# Altium PCB 22280A_AlarmeFenetre_Emetteur.PcbDoc
Units mil, origin at the board's own origin, x right, y up, seen from the top; angles counter-clockwise.
Board outline 2362.2 x 2362.2 mil, 2 copper layers (Top Layer, Bottom Layer), stack 62.441 mil thick; 39 components, 27 nets, 139 pads, 47 vias.
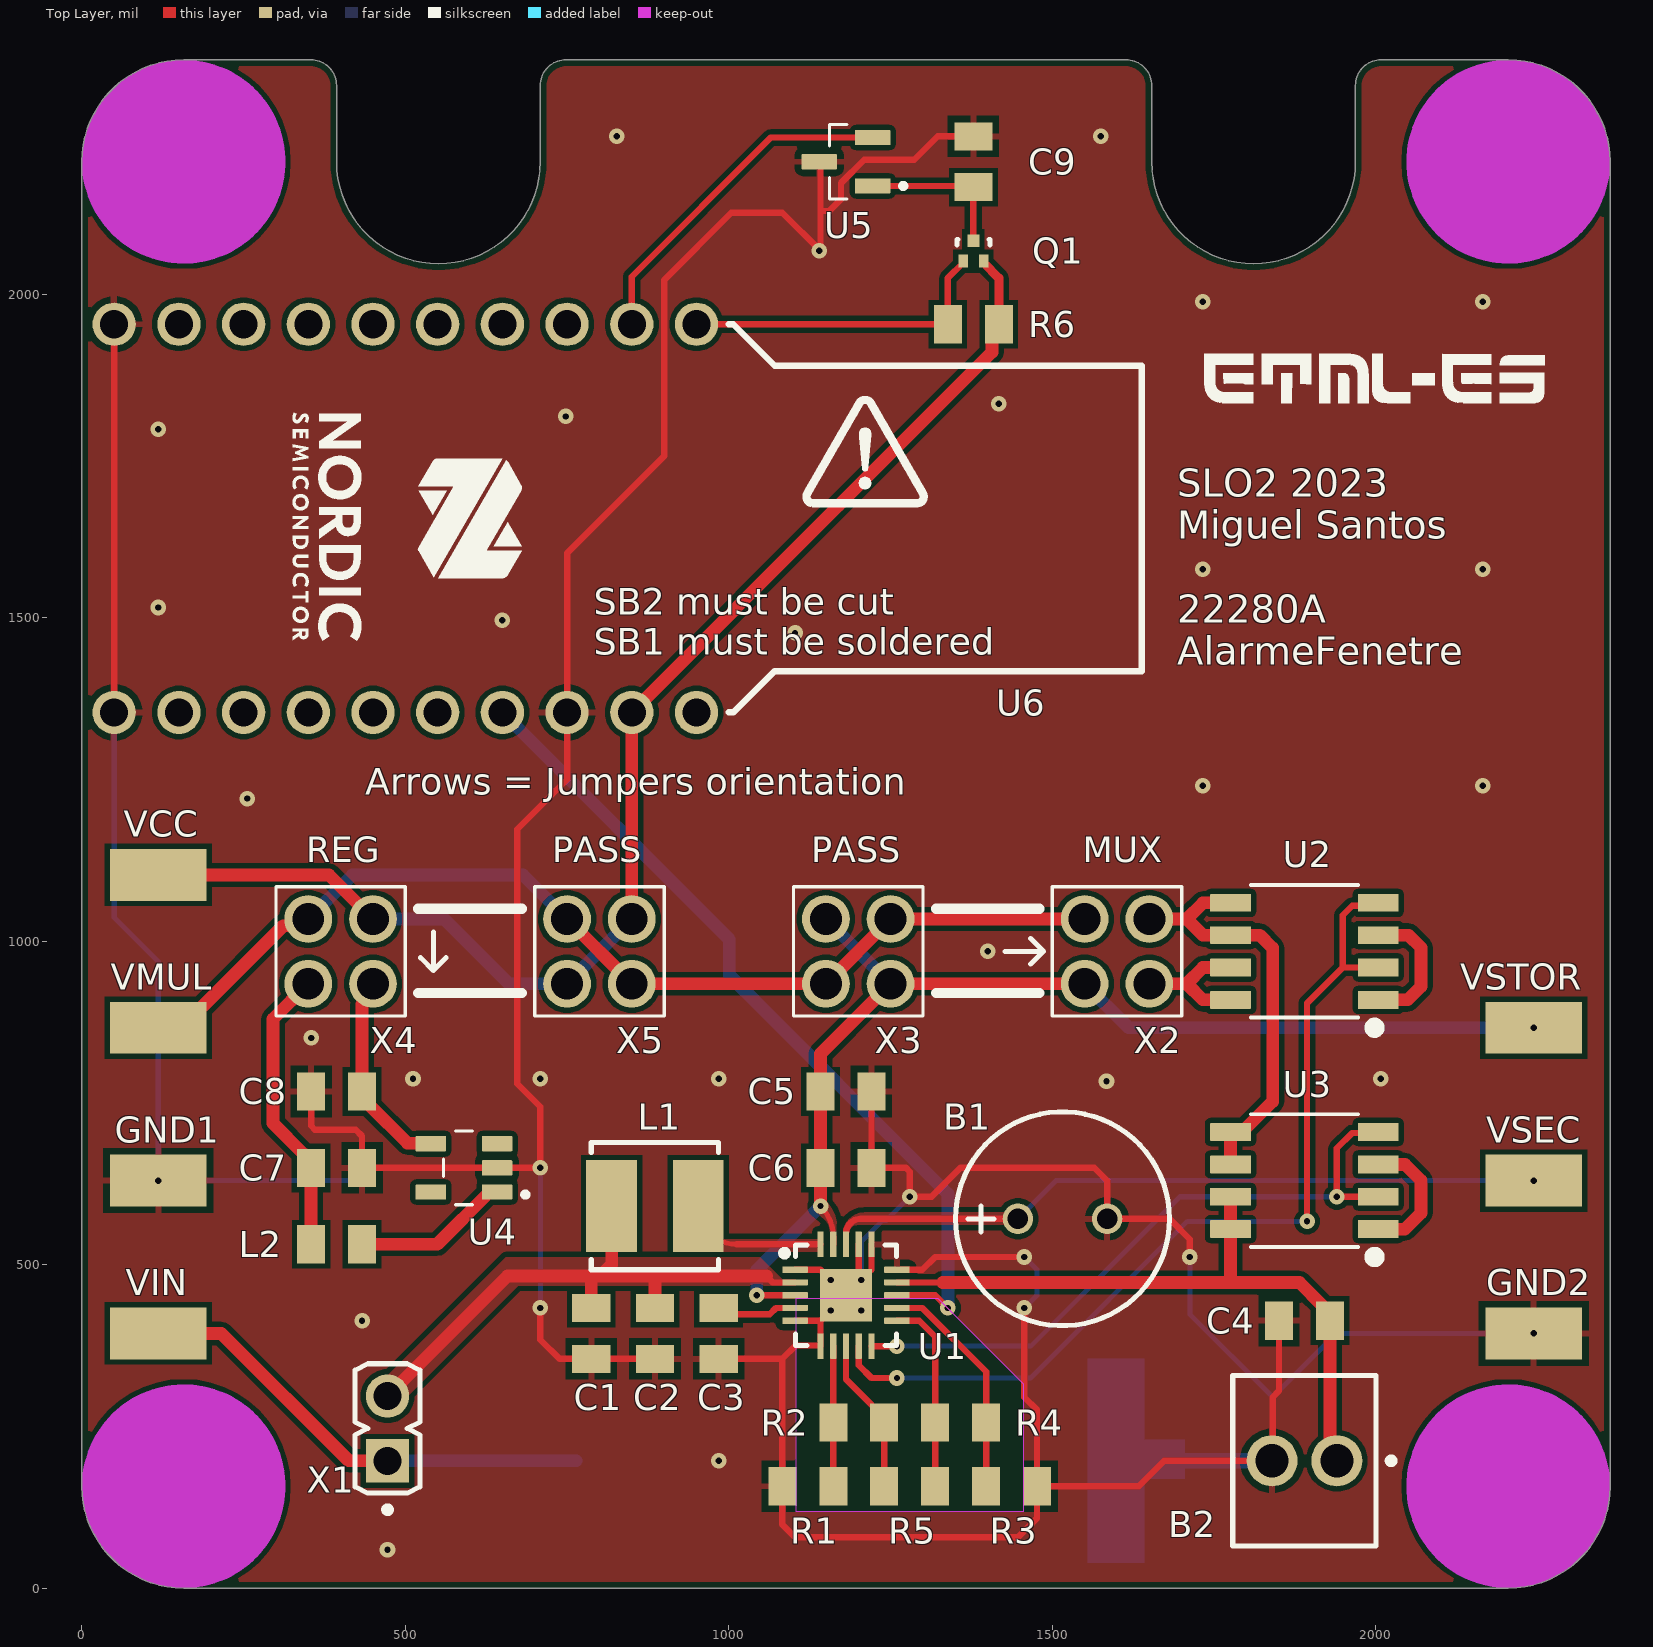
[diagram p0: Top Layer view]
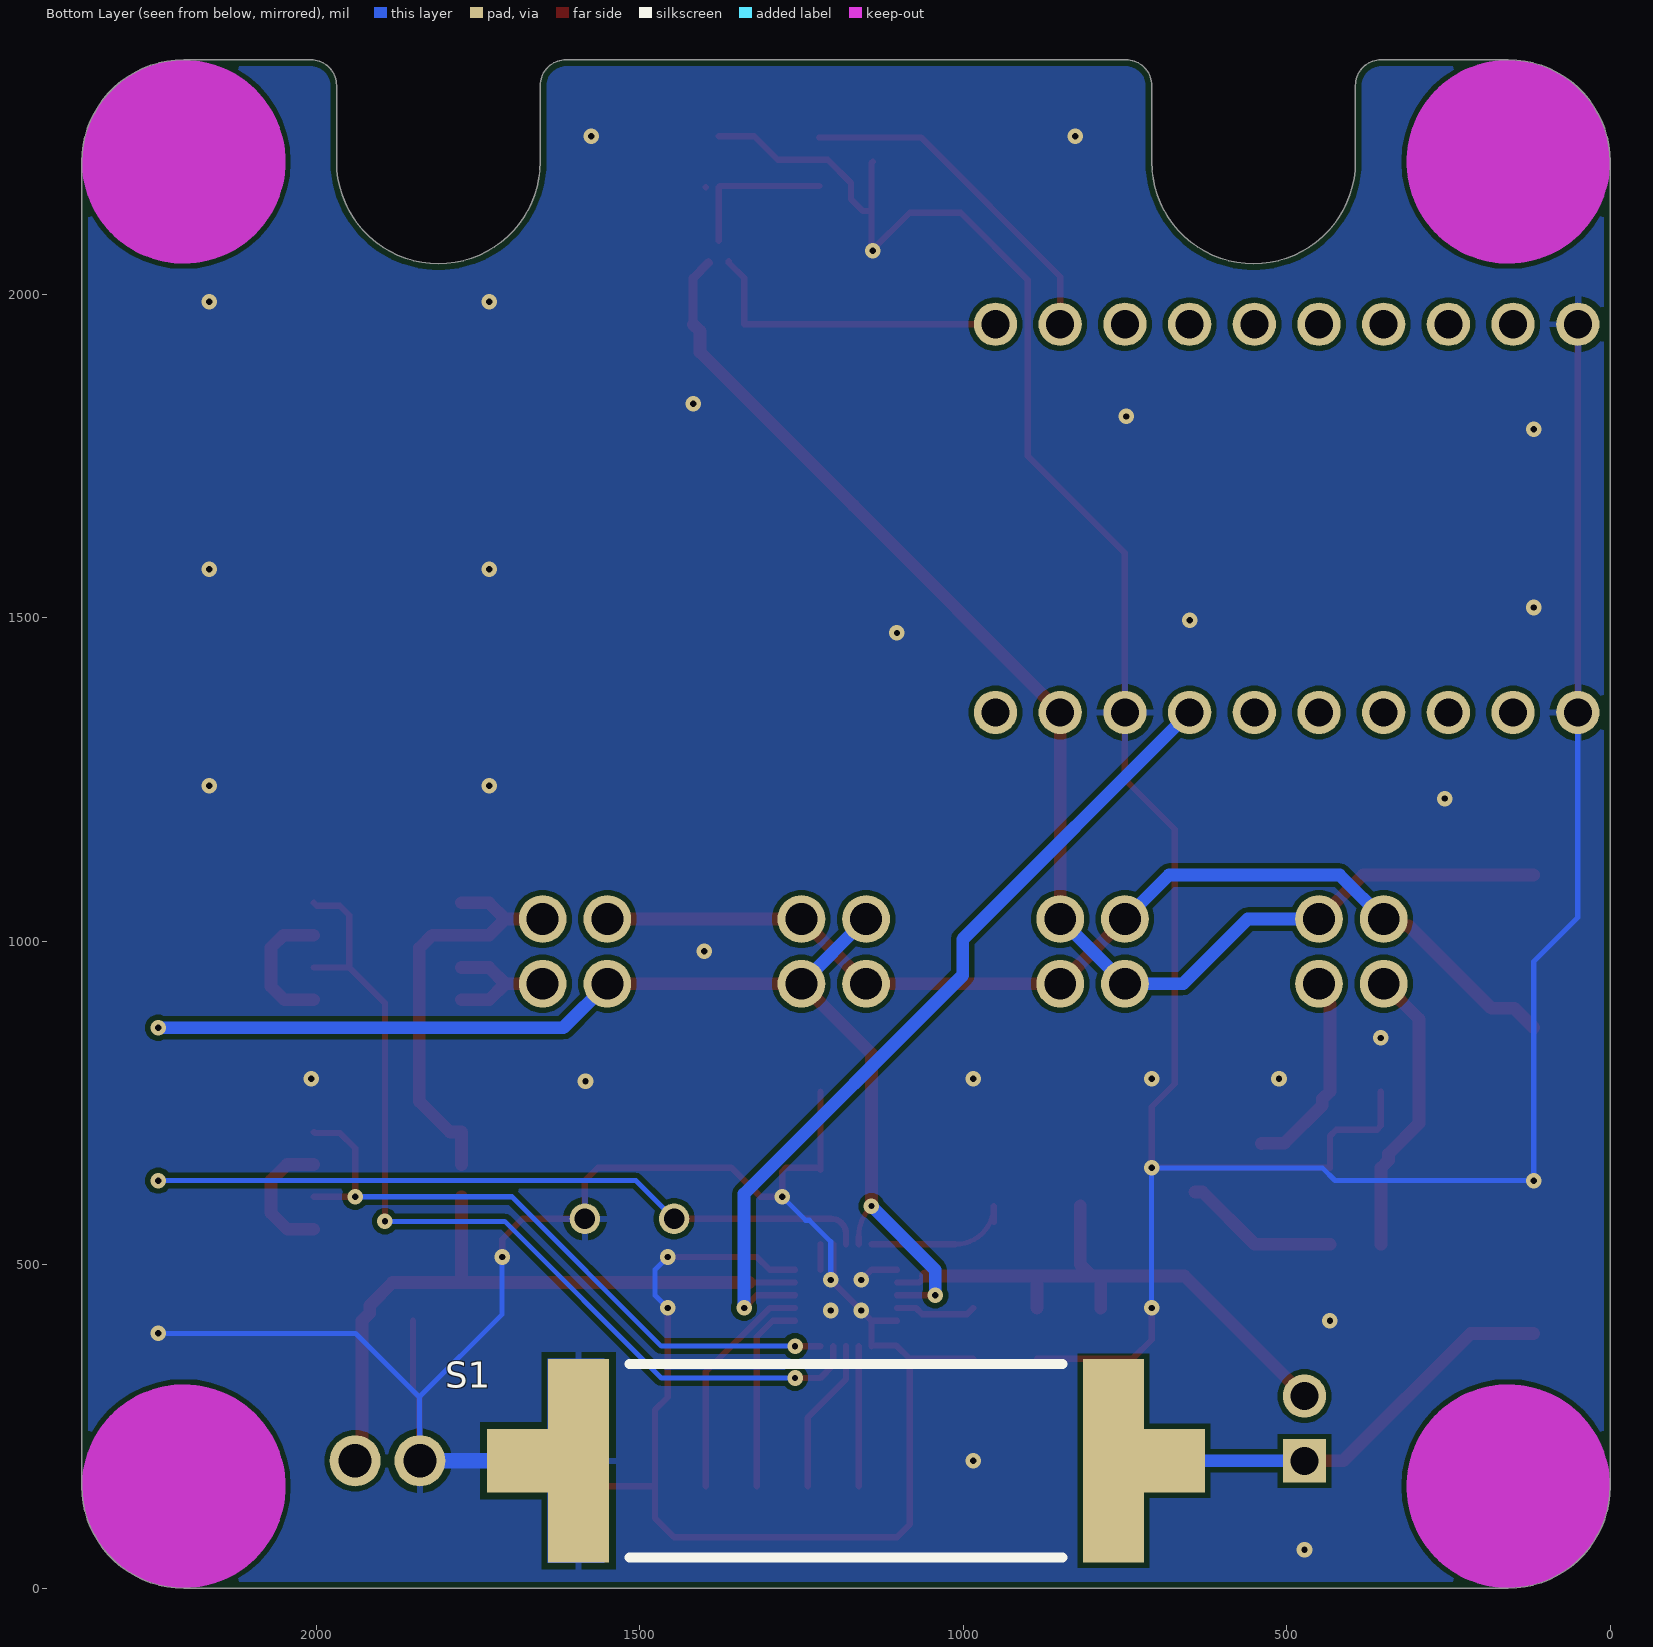
[diagram p1: Bottom Layer view, seen from below]

## Layer stack, top to bottom
Top Solder: solder mask 0.4, Solder Resist, Dk 3.5
Top Layer: signal copper 0.7087
Dielectric1: core 61.0236, FR-4, Dk 4.8
Bottom Layer: signal copper 0.7087
Bottom Solder: solder mask 0.4, Solder Resist, Dk 3.5

## Board outline
157.48,0 cw(c157.48,157.48) 0,157.48 0,2204.72 cw(c157.48,2204.72) 157.48,2362.2 354.33,2362.2 cw(c354.33,2322.83) 393.7,2322.83 393.7,2321.62 393.7,2204.72 ccw(c551.18,2204.72) 551.18,2047.24 ccw(c551.18,2204.72) 708.66,2204.72 708.66,2322.83 cw(c748.03,2322.83) 748.03,2362.2 1614.17,2362.2 cw(c1614.17,2322.83) 1653.54,2322.83 1653.54,2204.72 ccw(c1811.02,2204.72) 1811.02,2047.24 ccw(c1811.02,2204.72) 1968.5,2204.72 1968.5,2322.83 cw(c2007.87,2322.83) 2007.87,2362.2 2204.72,2362.2 cw(c2204.72,2204.72) 2362.2,2204.72 2362.2,157.48 cw(c2204.72,157.48) 2204.72,0

## Design rules (kind name [scope] priority, off if disabled: settings)
BoardOutlineClearance [All] p1: gap=9.84 ignorepadtopadclearanceinfootprint=FALSE except(0: Arc-SplitContinuation Track-SplitContinuation SMDPad-SplitContinuation THPad-SplitContinuation Via-SplitContinuation Fill-SplitContinuation Poly-SplitContinuation Region-SplitContinuation Text-SplitContinuation)
Clearance GND_CLEARANCE [InNamedPolygon('GND_L01_P000') Or InNamedPolygon('GND_L01_P001')] p1: gap=7.87 ignorepadtopadclearanceinfootprint=FALSE except(0: Poly-Region)
Clearance Clearance-xPP-xTP-xTT [All] p2: gap=5.94 ignorepadtopadclearanceinfootprint=FALSE
ComponentClearance [All] p1: gap=9.84 collisioncheckmode=3 verticalgap=9.84 showdistances=FALSE
DiffPairsRouting [All] p1: maxlimit=9.84 minlimit=9.84 mostfreqgap=9.84 toplayer_minwidth=15 toplayer_maxwidth=15 toplayer_prefwidth=15 bottomlayer_minwidth=15 bottomlayer_maxwidth=15 bottomlayer_prefwidth=15 maxuncoupledlength=492.13
Height [All] p1: minheight=0 maxheight=984.25 prefheight=492.13
HoleSize HoleSize-PTH [All] p1: absolutevalues=TRUE maxlimit=393.7 minlimit=9.84 maxpercent=80.000 minpercent=20.000
HoleToHoleClearance [All] p1: gap=13.78 allowstackedmicrovias=TRUE
MinimumAnnularRing "Minimum IAR  >0.45mm" [((ObjectKind = 'Pad') OR (ObjectKind = 'Via')) And (Layer = 'MultiLayer') And (HoleDiameter > AsMM(0.45))] p1: minimumring=6.89 // minimum inner annular ring for pads > 0.45mm finished hole size
MinimumAnnularRing "Minimum IAR <=0.45mm" [((ObjectKind = 'Pad') OR (ObjectKind = 'Via')) And (Layer = 'MultiLayer') And (HoleDiameter <= AsMM(0.45))] p2: minimumring=6.89 // minimum inner annular ring for pads <= 0.45mm finished hole size
MinimumSolderMaskSliver [All] p1: minsoldermaskwidth=3.15
NetAntennae [All] p1 off: netantennaetolerance=0
PasteMaskExpansion [All] p1: expansion=-0.98
PlaneClearance PlaneClearance-IPI [All] p1: clearance=9.84
PlaneConnect [All] p1: planeconnectstyle=Relief reliefexpansion=6.89 reliefentries=4 reliefconductorwidth=7.87 reliefairgap=7.87
PolygonConnect SIGNALS_CONNECT_STYLE [All vs IsNamedPolygon('LBOOST_L01_P003') Or IsNamedPolygon('VIN_L01_P000') Or IsNamedPolygon('VSTOR_L01_P004') Or IsNamedPolygon('VSEC_L01_P005')] p1: connectstyle=Direct reliefconductorwidth=10 reliefentries=4 polygonreliefangle="90 Angle" airgapwidth=10
PolygonConnect GND_CONNECT_STYLE [All vs IsNamedPolygon('GND_L01_P000') Or IsNamedPolygon('GND_L01_P001')] p2: thpad.connectstyle=Relief thpad.reliefconductorwidth=10 thpad.reliefentries=4 thpad.polygonreliefangle="90 Angle" thpad.airgapwidth=10 smdpad.connectstyle=Relief smdpad.reliefconductorwidth=10 smdpad.reliefentries=4 smdpad.polygonreliefangle="90 Angle" smdpad.airgapwidth=10 via.connectstyle=Direct via.reliefconductorwidth=10 via.reliefentries=4 via.polygonreliefangle="90 Angle" via.airgapwidth=10
PolygonConnect PolygonConnect-xTW [All] p3: connectstyle=Relief reliefconductorwidth=7.87 reliefentries=4 polygonreliefangle="90 Angle" airgapwidth=7.87
RoutingCorners [All] p1: cornerstyle=45-Degree minsetback=98.43 maxsetback=98.43
RoutingVias RoutingViasES [All] p1: holewidth=11.81 width=25.59 viastyle="Through Hole" minholewidth=9.84 minwidth=24.02 maxholewidth=17.72 maxwidth=31.5 // finishet hole size <= 0.45mm
SilkToSilkClearance [All] p1: silktosilkclearance=7.87
SilkToSolderMaskClearance [IsPad] p1: minsilkscreentomaskgap=7.87 clearancetoexposedcopper=TRUE
SolderMaskExpansion [All] p1: expansion=0 istentingtop=FALSE
UnRoutedNet [All] p1: checkbadconnections=TRUE
Width Width-xTW [All] p1: maxlimit=59.06 minlimit=5.91 preferedwidth=7.87
16 further rules are at their usual default settings.

## Classes and differential pairs
component class 2228_Emetteur_Systeme: C9 Q1 R6 U5 U6
component class 2228_Emetteur_Alimentation: B1 B2 C1 C2 C3 C4 C5 C6 C7 C8 GND1 GND2 L1 L2 R1 R2 R3 R4 R5 S1 U1 U2 U3 U4 VCC VIN VMUL VSEC VSTOR X1 X2 X3 X4 X5

## Components (designator, comment, footprint, x,y, rotation, side; value= is the part's Value field where it differs from the comment)
B1 "SUPERCAP" SUPERCAP 1515.75,570.87 r0 top value=2F
B2 "2x AAA" WE_2PINS 1889.76,196.85 r0 top
C1 "CAP_SMD" CAP_0805 787.4,393.7 r90 top value=4.7µF
C2 "CAP_SMD" CAP_0805 885.83,393.7 r90 top value=100nF
C3 "CAP_SMD" CAP_0805 984.25,393.7 r270 top value=10nF
C4 "CAP_SMD" CAP_0805 1889.76,413.39 r0 top value=100nF
C5 "CAP_SMD" CAP_0805 1181.1,767.72 r180 top value=4.7µF
C6 "CAP_SMD" CAP_0805 1181.1,649.61 r180 top value=10nF
C7 "CAP_SMD" CAP_0805 393.7,649.61 r180 top value=4.7µF
C8 "CAP_SMD" CAP_0805 393.7,767.72 r0 top value=22µF
C9 "CAP_SMD" CAP_0805 1377.95,2204.72 r270 top value=100nF
GND1 "5019" KSTN-5019_V 118.11,629.92 r180 top
GND2 "5019" KSTN-5019_V 2244.09,393.7 r180 top
L1 "IND_SMD" WE-LQFS_4828 885.83,590.55 r90 top value=22µH
L2 "IND_SMD" IND_0805 393.7,531.5 r0 top value=2.2µH
Q1 "RZM001P02T2L" FP-VMT3-MFG 1377.95,2066.93 r90 top
R1 "RES_SMD" RES_0805 1122.05,157.48 r180 top value=8.2M
R2 "RES_SMD" RES_0805 1200.79,255.91 r180 top value=5.1M
R3 "RES_SMD" RES_0805 1437.01,157.48 r0 top value=5.1M
R4 "RES_SMD" RES_0805 1358.27,255.91 r0 top value=3.6M
R5 "RES_SMD" RES_0805 1279.53,157.48 r0 top value=3.3M
R6 "RES_SMD" RES_0805 1377.95,1953.54 r0 top value=100k
S1 "Solar_Cell" KXOB25-05X3F-TR 1181.1,196.85 r0 bottom locked
U1 "BQ25505" QFN_25505 1181.1,452.76 r0 top
U2 "DMP3085LSD-13" SO-8 1889.76,984.25 r180 top
U3 "DMP3085LSD-13" SO-8 1889.76,629.92 r180 top
U4 "TPS613221ADBVT" SOT95P280X145-5N 590.55,649.61 r180 top
U5 "DRV5032FBDBZR" SOT95P237X112-3N 1181.1,2204.72 r180 top
U6 "NRF52840-DONGLE" NRF52840_DONGLE 50,1653.54 r270 top locked
VCC "5019" KSTN-5019_V 118.11,1102.36 r180 top
VIN "5019" KSTN-5019_V 118.11,393.7 r0 top
VMUL "5019" KSTN-5019_V 118.11,866.14 r180 top
VSEC "5019" KSTN-5019_V 2244.09,629.92 r180 top
VSTOR "5019" KSTN-5019_V 2244.09,866.14 r0 top
X1 "2PIN_HEADER" HEADER_2PINS 472.44,246.85 r90 top
X2 "2X2PIN_HEADER" 2X2_HEADER 1600,984.25 r270 top
X3 "2X2PIN_HEADER" 2X2_HEADER 1200,984.25 r90 top
X4 "2X2PIN_HEADER" 2X2_HEADER 400,984.25 r180 top
X5 "2X2PIN_HEADER" 2X2_HEADER 800,984.25 r90 top

## Footprints (in the part's own frame and the unit in brackets; to place one, negate y for a bottom-side part, rotate by r counter-clockwise, add the part's x,y. Pads: shape width x height; smd on the part's side, far side on the other; paste and mask are expansions set on the pad)
2X2_HEADER [mm]
  round 1.875 hole 1.25: 1(-1.27,-1.27) 2(-1.27,1.27) 3(1.27,-1.27) 4(1.27,1.27)
  silkscreen extent -2.54,-2.54 2.54,2.54, body extent -2.54,-2.54 2.54,2.54, height 8.54
CAP_0805 [mm]
  rect 1.1x1.5 smd: 1(-1,0) 2(1,0)
  body extent -1,-0.63 1,0.63, height 0.81
FP-VMT3-MFG [mm]
  rect 0.5x0.37 smd paste+0 mask+0: 1(-0.4,0.4) 2(-0.4,-0.4)
  rect 0.5x0.47 smd paste+0 mask+0: 3(0.4,0)
  silkscreen extent 0.23,-0.65 0.45,0.65, body extent -0.75,-0.75 0.75,0.75, height 0.25
HEADER_2PINS [mm] "Header, 2-Leads, Body 5.08x2.54mm, Pitch 2.54mm"
  rect 1.7x1.7 hole 1.1: 1(-1.27,0)
  round 1.7 hole 1.1: 2(1.27,0)
  silkscreen extent -3.31,-1.27 2.54,1.27, body extent -2.54,-1.27 2.54,1.27, height 8.54
IND_0805 [mm]
  rect 1.1x1.5 smd: 1(-1,0) 2(1,0)
  body extent -1,-0.63 1,0.63, height 0.61
KSTN-5019_V [mm] "Test Point, 1-Leads, Body 3.81x2.03mm"
  rect 3.8x2.03 smd: 1(0,0)
  body extent -1.9,-1.01 1.9,1.02, height 2.29
KXOB25-05X3F-TR [mm] "Solar Panel, 2-Leads, Body 23,00x8,00mm, IPC Low Density"
  rect 4.8x2.5 smd: 1(-11.7,0) 2(11.7,0)
  rect 2.4x8 smd: 1(-10.5,0) 2(10.5,0)
  Top Layer region: 9.5,4 9.5,-4 11.7,-4 11.7,-0.824 13.3,-0.824 13.3,0.7 11.7,0.7 11.7,4
  silkscreen extent -8.5,-3.8 8.5,3.8, body extent -11.5,-4 11.5,4, height 1.9
NRF52840_DONGLE [mm]
  round 1.7 hole 1.1: 1(-7.62,22.86) 2(-7.62,20.32) 3(-7.62,17.78) 4(-7.62,15.24) 5(-7.62,12.7) 6(-7.62,10.16) 7(-7.62,7.62) 8(-7.62,5.08) 9(-7.62,2.54) 10(-7.62,0) 11(7.62,0) 12(7.62,2.54) 13(7.62,5.08) 14(7.62,7.62) 15(7.62,10.16) 16(7.62,12.7) 17(7.62,15.24) 18(7.62,17.78) 19(7.62,20.32) 20(7.62,22.86)
  silkscreen extent -7.62,7 7.62,40.34, body extent -11,-10 11,40.45, height 15.5
QFN_25505 [mm] "QFN, 20-Leads, Body 3,65x3,65mm, Pitch 0,50mm, Thermal Pad 2,05x2,05mm, IPC Low Density"
  rrect20% 1x0.25 smd mask+0.07: 1(-2,1) 2(-2,0.5) 3(-2,0) 4(-2,-0.5) 5(-2,-1) 11(2,-1) 12(2,-0.5) 13(2,0) 14(2,0.5) 15(2,1)
  rrect20% 0.25x1 smd mask+0.07: 6(-1,-2) 7(-0.5,-2) 8(0,-2) 9(0.5,-2) 10(1,-2) 16(1,2) 17(0.5,2) 18(0,2) 19(-0.5,2) 20(-1,2)
  rect 2.05x2.05 smd: 21(0,0)
  silkscreen extent -2.54,-1.97 1.97,1.97, body extent -1.88,-1.88 1.88,1.88, height 1.4
RES_0805 [mm]
  rect 1.1x1.5 smd: 1(-1,0) 2(1,0)
  body extent -1,-0.63 1,0.63, height 0.52
SO-8 [mm]
  rrect5% 1.6x0.7 smd: 1(-2.9,1.905) 2(-2.9,0.635) 3(-2.9,-0.635) 4(-2.9,-1.905) 5(2.9,-1.905) 6(2.9,-0.635) 7(2.9,0.635) 8(2.9,1.905)
  silkscreen extent -2.95,-2.6 2.11,3.2, body extent -3.05,-2.48 3.05,2.48, height 1.76
SOT95P237X112-3N [mm]
  rrect15% 1.4x0.6 smd: 1(-1.05,0.95) 2(-1.05,-0.95) 3(1.05,0)
  silkscreen extent -2.35,-1.46 0.65,1.46, body extent -1.25,-1.46 1.25,1.46, height 1.12
SOT95P280X145-5N [mm]
  rrect12% 1.2x0.6 smd: 1(-1.3,0.95) 2(-1.3,0) 3(-1.3,-0.95) 4(1.3,-0.95) 5(1.3,0.95)
  silkscreen extent -2.51,-1.45 0.8,1.45, body extent -1.4,-1.45 1.4,1.45, height 1.45
SUPERCAP [mm]
  round 1.2 hole 0.8: 1(-1.75,0) 2(1.75,0)
  silkscreen extent -4.2,-4.2 4.2,4.2, body extent -4,-4 4,4, height 16
WE-LQFS_4828 [mm] "SMT Power Inductor, body 4.8x4.8mm"
  rect 3.6x2 smd: 1(0,1.7) 2(0,-1.7)
  silkscreen extent -2.5,-2.5 2.5,2.5, body extent -2.4,-2.4 2.4,2.4, height 2.8
WE_2PINS [mm]
  round 2 hole 1.3 paste-1000 mask+0: 1(1.27,0) 2(-1.27,0)
  silkscreen extent -2.82,-3.35 3.53,3.35, body extent -2.92,-3.45 2.92,3.45, height 0.25

## Part data
B1: "Polarized SuperCapacitor (Radial)"
B2: library part Battery, "Multicell Battery"
C1 C2 C3 C4 C5 C6 C7 C8 C9: "Capacitor"
GND1 GND2 VCC VIN VMUL VSEC VSTOR: library part CMP-1672-00008-1, "Test Point, 1 Position SMD, RoHS, Tape and Reel", Package Quantity=1000, ComponentLink1Description="Manufacturer URL", ComponentLink1URL=http://www.keyelco.com/, ComponentLink2Description=Datasheet, ComponentLink2URL=http://www.keyelco.com/product-pdf.cfm?p=1357, Contact Plating=Silver, DatasheetVersion=03/2014, Mount="Surface Mount", Mounting Technology="Surface Mount", PackageDescription="1-Pin Surface Mount Device, Body 3.81 x 2.03 mm", PackageReference=5019, Packaging="Tape and Reel", Pins=1, RoHSCompliant=True
L1 L2: "Inductor SMD"
Q1: library part CMP-08982-000003-1, "MOSFET P-CH 20V 0.1A VMT3", Continuous Drain Current=100mA, Drain To Source Breakdown Voltage=-20V, Drain To Source Resistance=2.5Ω, Gate To Source Voltage=10V, Input Capacitace At Vds="15pF @ -10V", Manufacturer=Rohm, Max Forward Diode Voltage=-1.2V, Max Junction Temp=+150°C, Package=VMT3, Power Dissipation=150W, Pulse Drain Current=400mA, Temperature="-55°C to +150°C", Temperature Range Low=-55°C, Automotive=No, Category=Trans, ComponentLink2Description=Datasheet, ComponentLink2URL=https://www.rohm.com/datasheet/RZM001P02/rzm001p02t2l-e, Depletion Mode=False, Device Class L1="Discrete Semiconductors", Device Class L2=Transistors, Device Class L3=MOSFETs, Digikey Description="MOSFET P-CH 20V 0.1A VMT3", Drain To Source Voltage=-20V, Height=0.55mm, Lead Free=Yes, Manufacturer Part Number=RZM001P02T2L, Mouser Description="MOSFET 1.2V Drive Pch MOSFET", Number Of Channels=1, Number Of P Channels=1, Octopart=https://octopart.com/rzm001p02t2l-rohm-29677415, RoHS=TRUE, Rthja Max=833°C/W, Standoff Height=0mm, Temperature Range High=+150°C, Threshold Vgs Max=-1V, Threshold Vgs Min=-0.3V, Turn Off Delay Time=325ns, Turn On Delay Time=46ns
R1: Supplier Part Number 1=541-7.87MHCT-ND, Supplier 1=Digi-Key
S1: "Anysolar KXOB25-05X3F", Manufacturer=Anysolar, Manufacturer_Number=KXOB25-05X3F-TR
U1: library part BQ25505RGRR, "Low power energy harvester", Manufacturer="Texas Instruments", Manufacturer_Number=BQ25505RGRR
U2 U3: Manufacturer="Diodes Inc", Manufacturer_Number=DMP3085LSD-13
U4 U5: Manufacturer="Texas Instruments"
  U4: Manufacturer_Number=TPS613221ADBVT
  U5: Manufacturer_Number=DRV5032FBDBZR
U6: Manufacturer="Nordic Semiconductor", Manufacturer_Number=NRF52840-DONGLE

## Free pads (board coordinates)
  round 118.11 hole 125.98 unplated: M3(157.48,157.48) M3(157.48,2204.72) M3(2204.72,157.48) M3(2204.72,2204.72)

## Via types
v1: diameter 24.02, hole 9.84, Top Layer to Bottom Layer, 47 vias

## Nets (pads, with @x,y where several pads share a name; then routed paths per layer and width w, separated by ;. In a path a pad name is that pad's centre, name@x,y a point inside that pad or via, vN(x,y) a via of type N, cw(c..) or ccw(c..) an arc to the next point about the centre after c; other vN are vias at no path point)
GND: B1.2 B2.2 C1.1 C2.1 C3.2 C4.1 C5.1 C6.1 C7.1 C8.1 C9.1 GND1.1 GND2.1 R1.2 R3.2 S1.2 U1.1 U1.5 U1.6 U1.15 U1.16 U1.17 U1.21 U4.2 U5.3 U6.10 U6.11 U6.18 | length 9490.5
  Top Layer w9.84: U6.11 U6.10 ; C8.1 354.34,714.43 360.1,708.66 423.23,708.66 433.07,698.82 433.07,649.61 U4.2 v1(708.66,649.61) 708.66,744.09 673.23,779.53 673.23,1173.23 750,1250 U6.18 750,1600 900,1750 900,2022.05 1003.94,2125.98 1082.68,2125.98 1141.73,2066.93 1141.73,2125.98 ; v1(708.66,433.07) 708.66,383.86 738.18,354.34 C1.1 C2.1 ; C3.2 1082.67,354.32 ; U1.5 U1.21@1141.73,413.39 ; U1.1 1141.73,492.13 v1(1157.48,476.38) ; U5.3 1141.73,2202.76 1141.73,2125.98 ; U1.6 U1.6@1141.73,375 ; U1.17 1200.79,480.31 v1(1204.72,476.38) U1.21 v1(1157.48,429.13) U1.21@1141.73,413.39 ; U1.21@1220.47,492.13 U1.16 ; C6.1@1220.47,646.65 C5.1 ; C6.1 1273.83,649.6 1279.59,643.83 v1(1279.59,604.92) 1313.37,604.92 1358.06,649.61 1564.96,649.61 1584.65,629.92 B1.2 1681.1,570.87 1712.6,539.37 v1(1712.6,511.81) ; U1.15 1299.21,492.13 1318.9,511.81 v1(1456.69,511.81) ; C9.1 1322.83,2244.09 1286.77,2208.03 1209.45,2208.03 1173.39,2171.97 1173.39,2146.73 1155.35,2128.7 1144.44,2128.7 1141.73,2125.98 ; v1(1456.69,433.07) 1456.69,295.28 1476.38,275.59 R3.2 ; 1850.39,324.8 1850.39,305.12 1840.55,295.28 1840.55,197.64 B2.2 1673.23,196.85 1633.86,157.48 R3.2 ; 1850.4,324.81 C4.1 ; 1082.67,354.32 R1.2 1082.67,98.43 1102.36,78.74 1446.85,78.74 1476.38,108.27 R3.2 ; 1082.67,354.32 1103.35,375 U1.6@1141.73,375 ; U1.6@1141.73,375 U1.21@1141.73,413.39
  Bottom Layer w7.87: U6.11 50,1036.61 118.11,968.5 v1(118.11,629.92) 425.2,629.92 444.88,649.61 v1(708.66,649.61) v1(708.66,433.07) ; v1(1204.72,476.38) 1204.72,535.43 1237.92,568.63 1243.3,568.63 v1(1279.59,604.92) ; v1(1456.69,433.07) 1476.38,452.76 1476.38,492.13 v1(1456.69,511.81) ; v1(1712.6,511.81) 1712.6,423.23 1840.55,295.28 ; B2.2 1840.55,197.64 1840.55,295.28 ; v1(2244.09,393.7) 1938.98,393.7 1840.55,295.28
  Bottom Layer w23.62: S1.2@1598.43,196.85 1641.73,196.85 B2.2
  other v1: 472.44,59.06 984.25,196.85 433.07,413.39 1204.72,429.13 1583.76,783.27 511.81,787.4 708.66,787.4 984.25,787.4 2007.87,787.4 354.33,850.39 1400,984.25 255.91,1220.47 1732.28,1240.16 2165.35,1240.16 1102.36,1476.38 649.61,1496.06 118.11,1515.75 1732.28,1574.8 2165.35,1574.8 118.11,1791.34 748.03,1811.02 1417.32,1830.71 1732.28,1988.19 2165.35,1988.19 1139.76,2066.93 826.77,2244.09 1574.8,2244.09
LBOOST: L1.2 U1.20 | length 247.3
  Top Layer w7.87: L1.2 ccw(c1011.81,590.55) 1011.81,531.5
  Top Layer w9.84: L1.2@952.76,565.94 L1.2 ; 1011.81,531.5 U1.20
MAG_EN: Q1.1 R6.1 U6.1 | length 496
  Top Layer w9.84: U6.1 1338.58,1953.54 1338.59,2025 1362.2,2048.62 Q1.1
MAG_OUT: U5.2 U6.2 | length 535.1
  Top Layer w9.84: U6.2 850,2027.17 1064.96,2242.13 U5.2
NetC7_2: C7.2 L2.1 X4.4 | length 449.9
  Top Layer w19.68: X4.4 295.28,879.53 295.28,718.5 342.51,671.27 342.51,661.42 C7.2 L2.1
NetC8_2: C8.2 U4.4 X4.2 | length 319
  Top Layer w19.68: X4.2 450,919.6 433.08,902.68 C8.2 444.89,755.91 444.89,746.06 503.16,687.79 538.59,687.79 U4.4
NetC9_2: C9.2 Q1.3 U5.1 | length 239
  Top Layer w9.84: U5.1 1375.98,2167.32 C9.2 Q1.3
NetL2_2: L2.2 U4.1 | length 242.1
  Top Layer w19.68: L2.2 549.22,531.5 629.92,612.2 U4.1
NetS1_1: S1.1 VIN.1 X1.1 | length 727.2
  Top Layer w19.68: VIN.1 215.55,393.7 412.4,196.85 X1.1
  Bottom Layer w19.68: X1.1 S1.1@763.78,196.85
NetU2_1: U2.1 U2.3 | length 208.7
  Top Layer w19.68: U2.1 2049.25,909.25 2070,930 2070,990 2050.75,1009.25 U2.3
NetU2_5: U2.5 U2.6 U3.5 U3.6 X2.2 | length 659.2
  Top Layer w19.68: X2.2 1707.68,1034.25 ; U3.6 U3.5 1793.31,704.92 1840.55,752.17 1840.55,989.45 1820.75,1009.25 1732.68,1009.25 1707.68,1034.25 ; U2.5 1732.68,1059.25 1707.68,1034.25
NetU2_7: U2.7 U2.8 X2.4 | length 214.2
  Top Layer w19.68: X2.4 1707.68,934.25 ; U2.8 1732.68,909.25 1707.68,934.25 ; U2.7 1732.68,959.25 1707.68,934.25
NetU3_1: U3.1 U3.3 | length 202.8
  Top Layer w19.68: U3.1 2044.92,554.92 2070,580 2070,630 2045.08,654.92 U3.3
PRI_ON: U1.10 U3.2 U3.4 | length 1028.5
  Top Layer w9.84: U1.10 v1(1259.84,374.02) ; U3.2 v1(1939.76,604.92) 1939.76,679.76 1963.44,703.44 2002.46,703.44 U3.4
  Bottom Layer w7.87: v1(1259.84,374.02) 1466.54,374.02 1697.44,604.92 v1(1939.76,604.92)
SEC_ON: U1.9 U2.2 U2.4 | length 1445
  Top Layer w9.84: U1.9 1200.79,344.49 1220.47,324.8 v1(1259.84,324.8) ; v1(1893.7,566.93) 1893.7,904.13 1948.82,959.25 ; U2.2 1948.82,959.25 ; U2.4 1999.31,1054.62 1963.44,1054.62 1948.82,1040 1948.82,959.25
  Bottom Layer w7.87: v1(1259.84,324.8) 1466.54,324.8 1708.66,566.93 v1(1893.7,566.93)
V_OV: R1.1 R2.2 U1.7 | length 216.5
  Top Layer w9.84: R1.1 R2.2 U1.7
VBAT_OK: U1.13 U6.17 | length 1292.6
  Top Layer w9.84: U1.13 1318.9,452.76 v1(1338.58,433.07)
  Bottom Layer w19.68: U6.17 1000.68,1002.86 1000.68,947.32 1338.58,609.42 v1(1338.58,433.07)
VCC: Q1.2 R6.2 U6.19 VCC.1 X4.1 X5.2 X5.3 | length 2104.7
  Top Layer w9.84: Q1.2@1393.7,2048.62 Q1.2
  Top Layer w13.78: Q1.2@1393.7,2048.62 1417.33,2025 R6.2
  Top Layer w19.68: VCC.1 381.89,1102.36 X4.1 ; X5.3 U6.19 1169.69,1673.23 1406.88,1910.42 1406.88,1943.1 R6.2
  Bottom Layer w19.68: X4.1 560.24,1034.25 660.24,934.25 X5.2 X5.3
VIN: C1.2 C2.2 L1.1 U1.2 X1.2 | length 924.8
  Top Layer w9.84: 1058.07,482.28 1067.91,472.44 U1.2
  Top Layer w19.68: X1.2 657.87,482.28 787.4,482.28 ; C1.2 787.4,482.28 ; L1.1 818.9,500 801.18,482.28 ; C2.2 885.82,482.28 ; 1058.07,482.28 885.82,482.28 ; 787.4,482.28 801.18,482.28 ; 801.18,482.28 885.82,482.28
VMUL: VMUL.1 X2.1 X3.2 X3.3 X4.3 X5.1 X5.4 | length 1640.8
  Top Layer w19.68: VMUL.1 148.23,896.26 183.66,896.26 311.3,1023.89 339.64,1023.89 X4.3 ; X5.4 X5.1 X3.2 X3.3 X2.1
  Bottom Layer w19.68: X4.3 418.11,1102.36 681.89,1102.36 X5.4
VOK_HYST: R4.1 R5.2 U1.11 | length 300.5
  Top Layer w9.84: U1.11 1294.29,413.39 1318.9,388.78 R5.2
VOK_PROG: R3.1 R4.2 U1.12 | length 355.7
  Top Layer w9.84: U1.12 1299.21,433.07 1397.64,334.64 R4.2 R3.1
VPRI: B2.1 C4.2 U1.14 U3.7 U3.8 | length 1054.1
  Top Layer w9.84: U1.14 1330.71,472.44
  Top Layer w19.68: 1330.71,472.44 1775.59,472.44 ; U3.7 U3.8 1775.59,472.44 ; B2.1 1929.14,207.47 C4.2 1917.33,425.2 1917.33,437 1881.89,472.44 1775.59,472.44
VRDIV: R2.1 R5.1 U1.8 | length 241
  Top Layer w9.84: U1.8 1181.1,322.83 1240.15,263.78 R2.1 R5.1
VREF: C3.1 U1.4 | length 126.3
  Top Layer w9.84: C3.1 994.09,423.23 1062.99,423.23 1072.83,433.07 U1.4
VSEC: B1.1 U1.18 VSEC.1 | length 1117
  Top Layer w9.84: U1.18 1181.1,547.96 cw(c1204.01,547.96) 1204.01,570.87 B1.1
  Bottom Layer w7.87: B1.1 1505.91,629.92 v1(2244.09,629.92)
VSTOR: C5.2 C6.2 U1.3 U1.19 VSTOR.1 X2.3 X3.1 X3.4 | length 1854.2
  Top Layer w7.87: v1(1141.73,590.56) cw(c1094.19,543.02) U1.19@1161.42,543.02
  Top Layer w9.84: v1(1043.31,452.76) U1.3 ; U1.19 U1.19@1161.42,543.02
  Top Layer w19.68: v1(1141.73,590.56) C6.2 1141.73,825.98 X3.1 X2.3
  Bottom Layer w19.68: v1(1043.31,452.76) 1043.31,492.14 v1(1141.73,590.56) ; X3.4 X3.1 ; X2.3 1618.11,866.14 v1(2244.09,866.14)
pads on no net: U4.3 U4.5 U6.3 U6.4 U6.5 U6.6 U6.7 U6.8 U6.9 U6.12 U6.13 U6.14 U6.15 U6.16 U6.20

## Polygon pours and split planes (outlines as drawn)
GND on Top Layer "GND_L01_P000" (solid, remove dead copper, pour order 6): 0,157.48 0,2204.72 cw(c157.48,2204.72) 157.48,2362.2 2204.72,2362.2 cw(c2204.72,2204.72) 2362.2,2204.72 2362.2,157.48 cw(c2204.72,157.48) 2204.72,0 157.48,0 cw(c157.48,157.48)
VSEC on Top Layer "VSEC_L01_P005" (solid, pour order 5): 1186.02,549.21 cw(c1197.83,549.21) 1197.83,561.02 1427.17,561.02 1427.17,580.71 1212.6,580.71 ccw(c1210.14,546.75) 1176.18,549.21
VSTOR on Top Layer "VSTOR_L01_P004" (solid, pour order 4): 1166.34,550.2 1166.34,559.83 ccw(c1115.59,560.75) 1149.61,598.43 1133.86,582.68 1148.84,568.68 cw(c1130.36,550.2) 1156.5,550.2
LBOOST on Top Layer "LBOOST_L01_P003" (solid, pour order 3): 984.25,519.68 1141.73,519.68 1141.73,539.37 984.25,539.37
VIN on Top Layer "VIN_L01_P000" (solid, remove dead copper, pour order 0): 1082.68,477.36 1048.23,511.81 655.51,511.81 472.45,328.75 472.45,295.28 501.97,295.28 674.21,467.52 1082.68,467.52
GND on Bottom Layer "GND_L01_P001" (solid, remove dead copper, pour order 1): 0,157.48 0,2204.72 cw(c157.48,2204.72) 157.48,2362.2 2204.72,2362.2 cw(c2204.72,2204.72) 2362.2,2204.72 2362.2,157.48 cw(c2204.72,157.48) 2204.72,0 157.48,0 cw(c157.48,157.48)

## Keep-outs
Top Layer:
  region: 1104.33,118.11 1104.33,447.83 1322.83,447.83 1454.72,315.94 1454.72,118.12
Keep-Out Layer:
  circle w157.48: c2204.72,2204.72 r78.74
  circle w157.48: c2204.72,157.48 r78.74
  circle w157.48: c157.48,157.48 r78.74
  circle w157.48: c157.48,2204.72 r78.74

## Silkscreen, mask and mechanical layers (free items; w line width, h text height)
Top Overlay:
  drawing of 25 lines, arcs and shapes, not listed
  text "SB2 must be cut / SB1 must be soldered" at 791.26,1442.77 h41.34
  text "SLO2 2023 / Miguel Santos /  / 22280A / AlarmeFenetre" at 1692.91,1427.17 h43.31
  text "Arrows = Jumpers orientation" at 438.17,1226.38 h41.34
  text "REG" at 347,1121.86 h39.76
  text "PASS" at 727.12,1121.86 h39.76
  text "PASS" at 1127.12,1121.86 h39.76
  text "MUX" at 1547,1121.86 h39.76
Board Outline (ES):
  lines w15.75: 393.7,2203.51 393.7,2321.62 ; 393.7,2204.72 ccw(c551.18,2204.72) 551.18,2047.24 ccw(c551.18,2204.72) 708.66,2204.72 708.66,2322.83 cw(c748.03,2322.83) 748.03,2362.2 1614.17,2362.2 cw(c1614.17,2322.83) 1653.54,2322.83 1653.54,2204.72 ccw(c1811.02,2204.72) 1811.02,2047.24 ccw(c1811.02,2204.72) 1968.5,2204.72 1968.5,2322.83 cw(c2007.87,2322.83) 2007.87,2362.2 2204.72,2362.2 cw(c2204.72,2204.72) 2362.2,2204.72 2362.2,157.48 cw(c2204.72,157.48) 2204.72,0 157.48,0 cw(c157.48,157.48) 0,157.48 0,2204.72 cw(c157.48,2204.72) 157.48,2362.2 354.33,2362.2 cw(c354.33,2322.83) 393.7,2322.83

## Dimensions
354.33,2322.83 to 472.44,2480.32 on Top Dims
2204.72,2204.72 to 2480.32,2480.32 on Top Dims
0,2204.72 to -177.17,1657.48 on Top Dims
1653.54,2322.83 to 1968.5,2322.83 on Top Dims
551.18,2047.24 to 1811.02,2047.24 on Top Dims
2204.72,0 to 2204.72,2362.2 on Top Dims
0,157.48 to 2362.2,157.48 on Top Dims